# KiCad board IotKnob.kicad_pcb (continued)
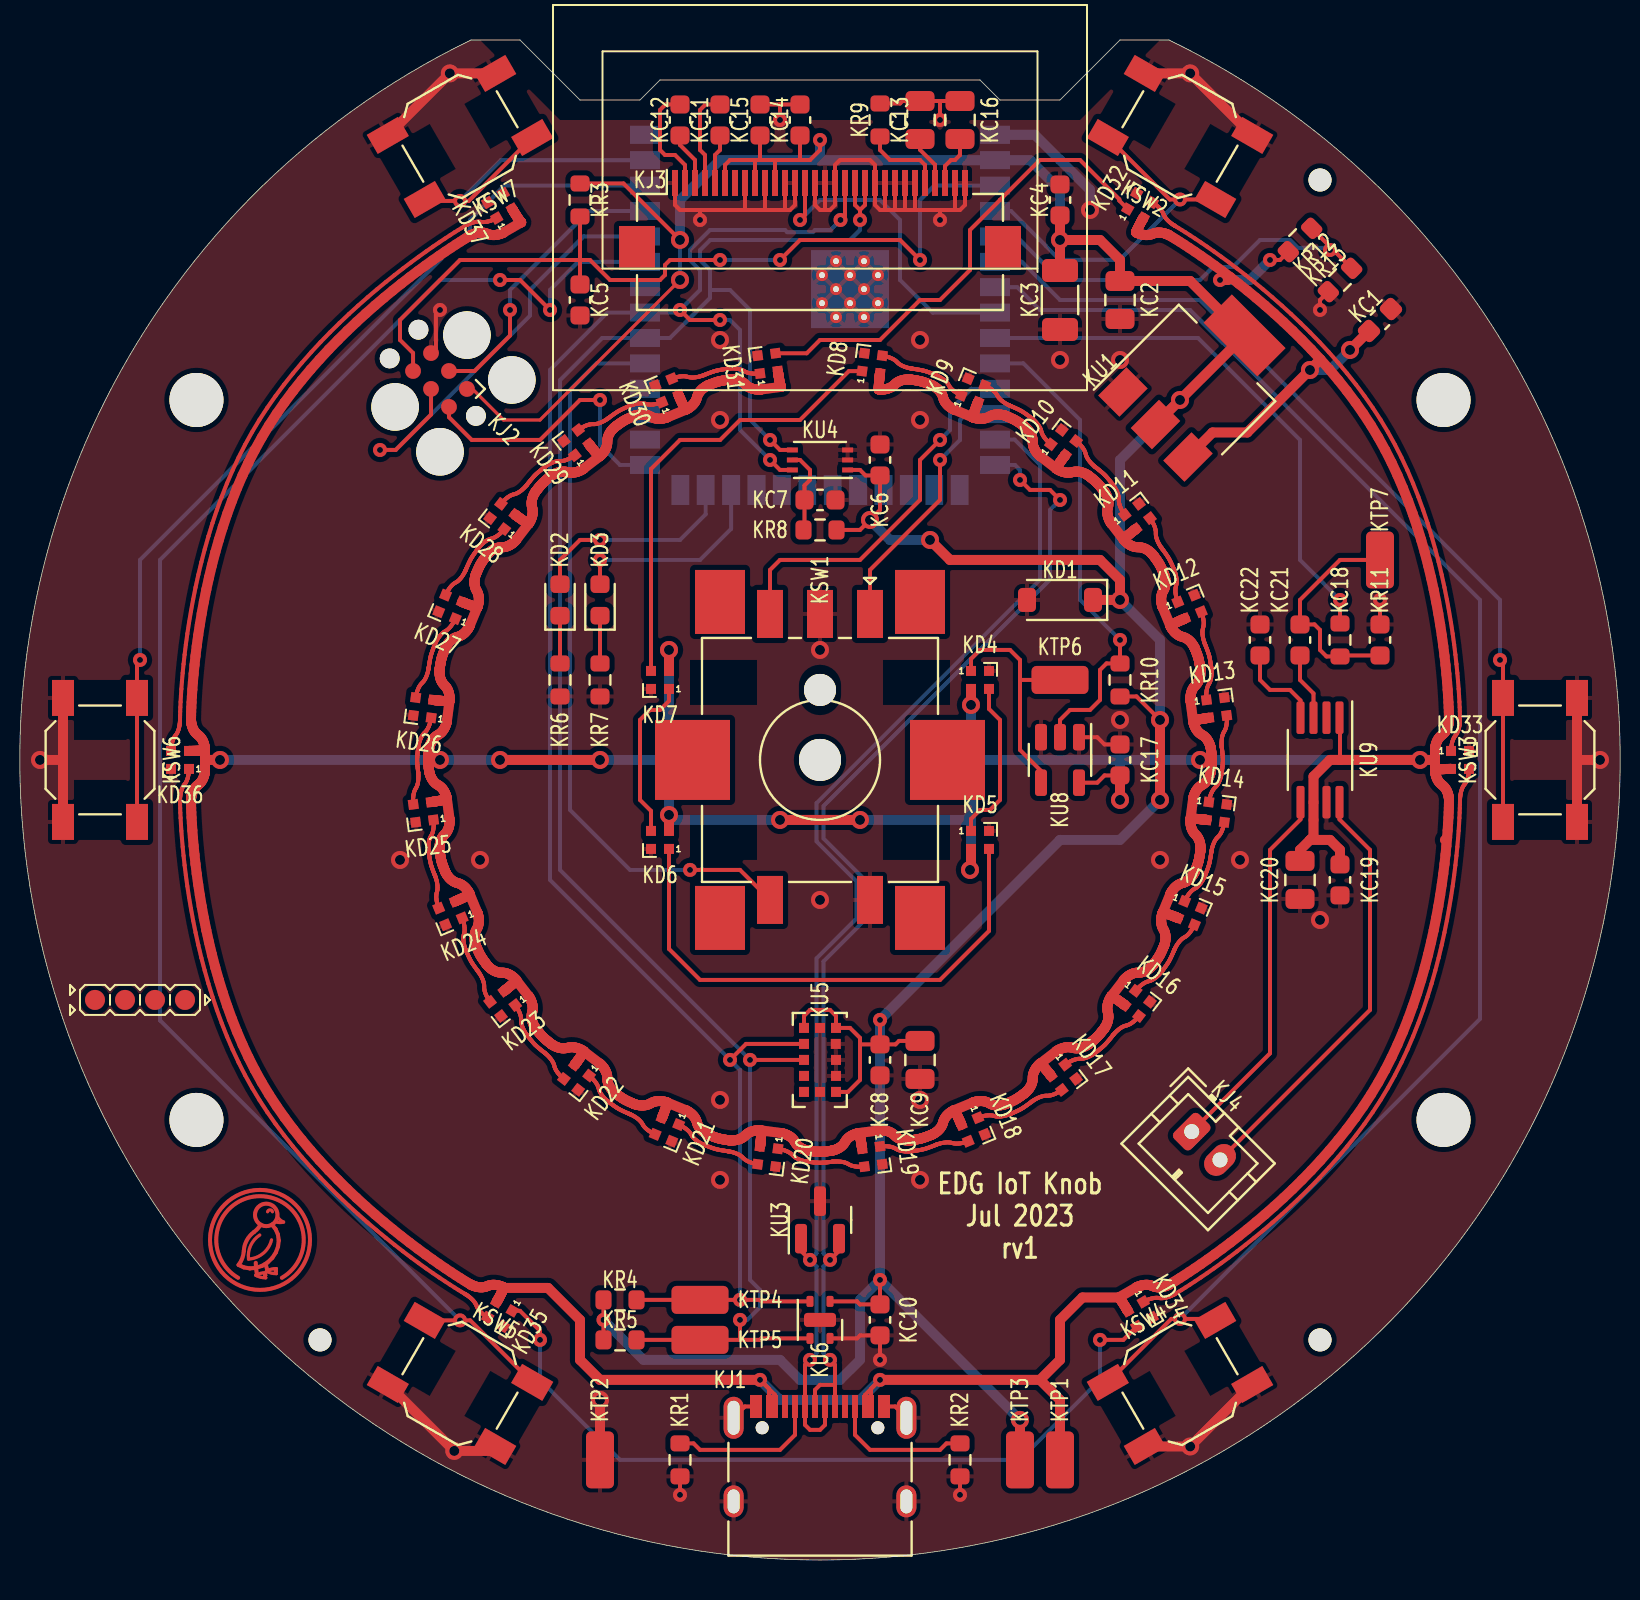
[diagram p0: board, top side]
## Routing (per net, layer and track width the routed paths; a pad name or vN(x,y) marks a point on that pad's centre or on a via; arc(x,y) is an arc through that point) (continued)

## Copper pours and planes (outline as drawn; the poured copper is in the pictures)
gnd on Top, Bottom: 58.45,-0.99 -23.55,-0.99 -23.55,81.01 -4.55,81.01 4.45,72.01 30.45,72.01 39.45,81.01 58.45,81.01

## Text on the board
F.Silkscreen: EDG IoT Knob / Jul 2023 / rv1
